# Altium PCB HIL_RIG_REV_1_1.PcbDoc (part 5 of 5)
Units mil, origin at the board's own origin, x right, y up, seen from the top; angles counter-clockwise.
Board outline 16250 x 7870 mil, 6 copper layers (Top Layer, Int1 (GND), Int2 (PWR), Int3 (Sign), Int4 (GND), Bottom Layer), stack 60.566 mil thick; 1117 components, 704 nets, 3589 pads, 6 vias.
Unrouted connection lines stored in the file: 2596.
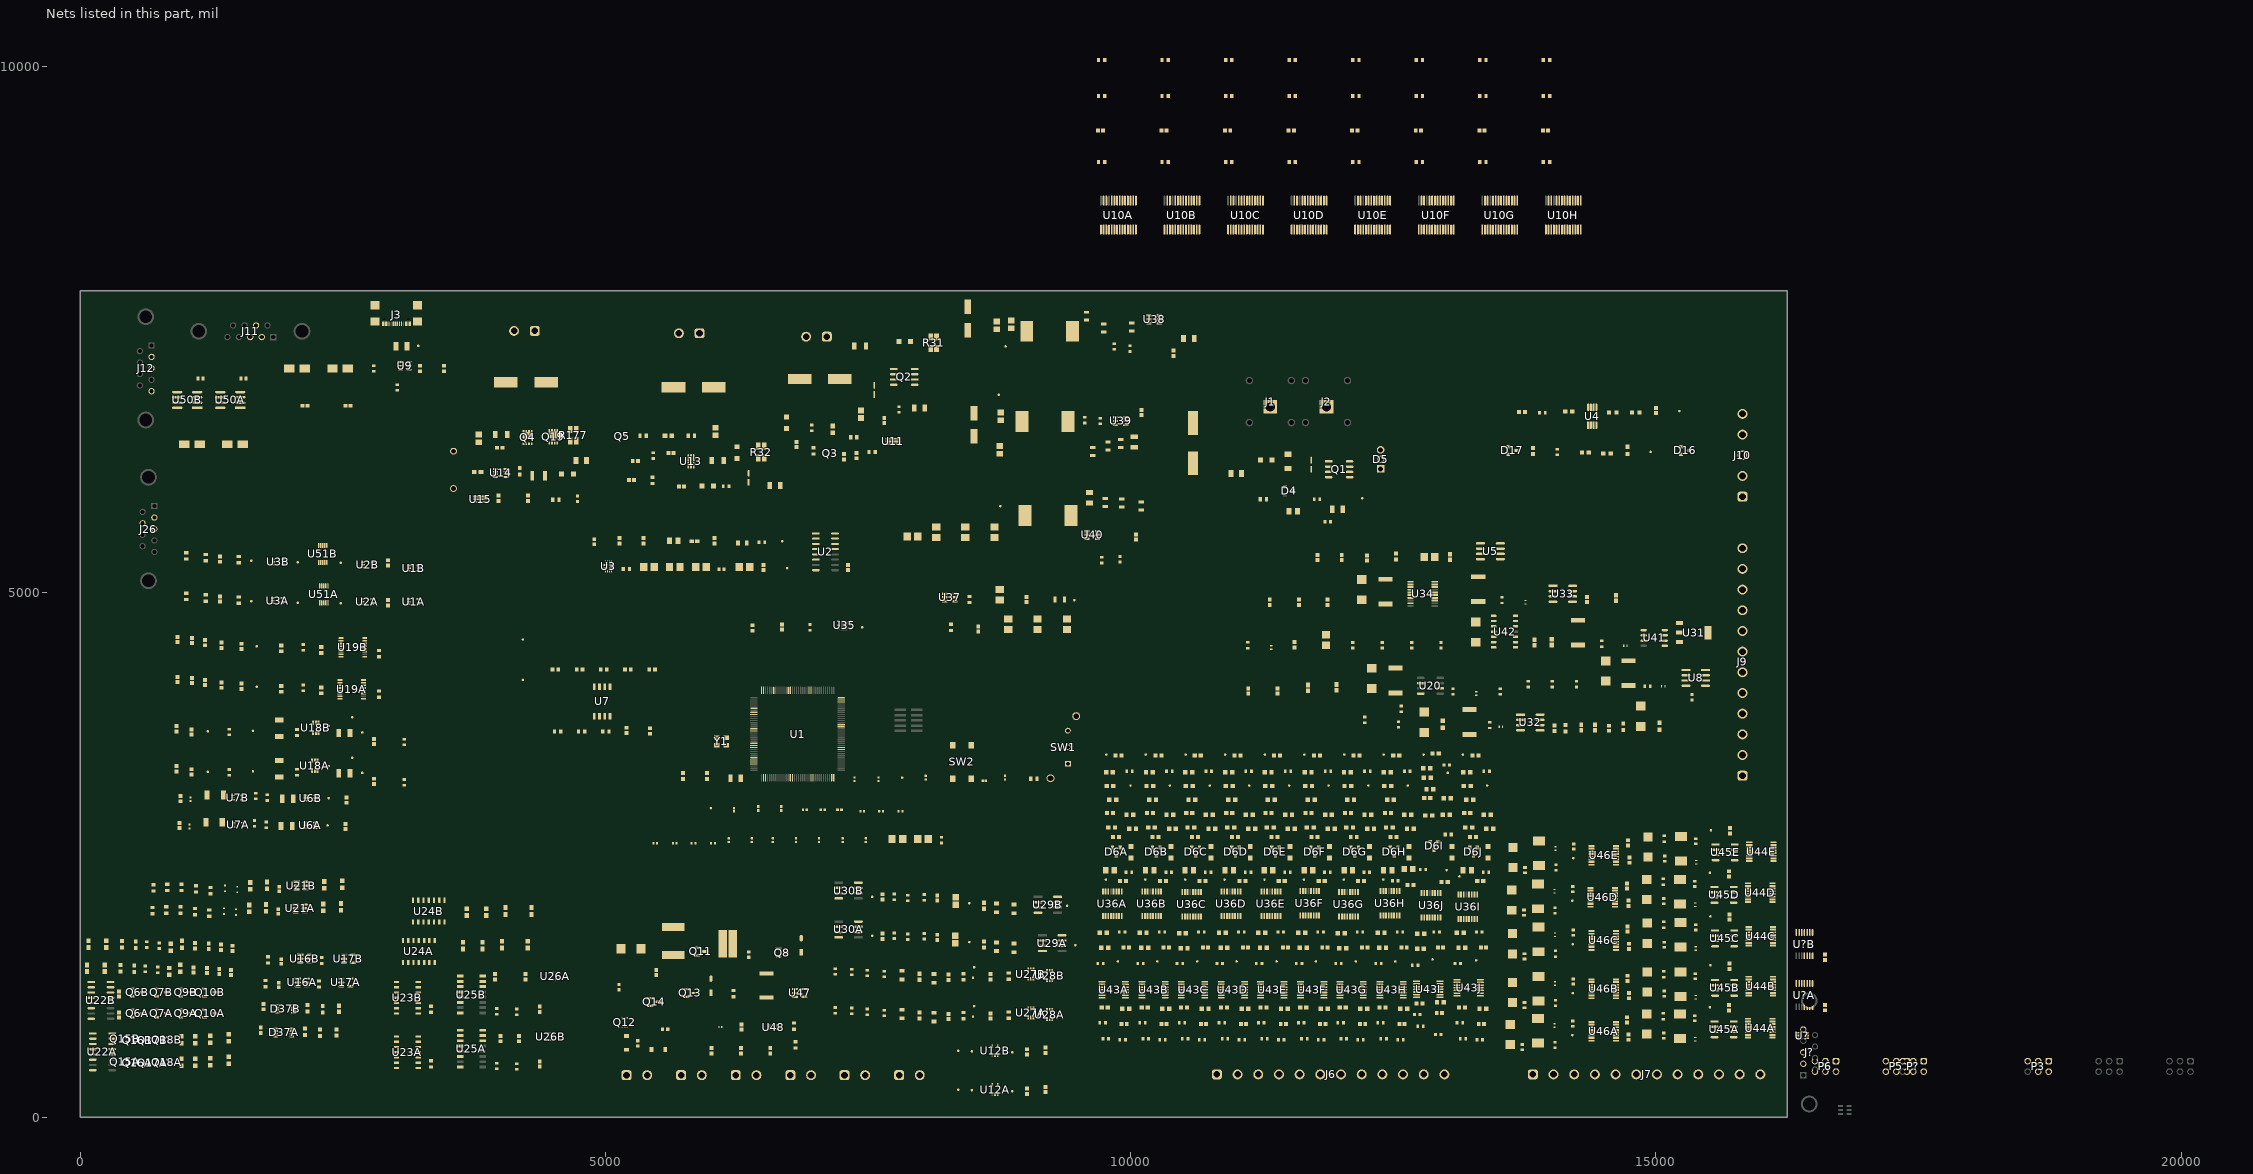
[diagram p7: the nets of this part, all layers, seen from the top]

## Part data (continued)
Y1: "Crystal or Oscillator", Manufacturer_Name=ECS, Mouser Part Number=520-160-12-33AGN-TR3, Arrow Part Number=ECS-160-12-33-AGN-TR3, Arrow Price/Stock=https://www.arrow.com/en/products/ecs-160-12-33-agn-tr3/ecs-international?utm_currency=USD&region=nac, Datasheet Link=https://ecsxtal.com/store/pdf/ecx-32.pdf, Height=0.8mm, Manufacturer_Part_Number=ECS-160-12-33-AGN-TR3, Mouser Price/Stock=https://www.mouser.co.uk/ProductDetail/ECS/ECS-160-12-33-AGN-TR3?qs=e8oIoAS2J1R5dXUdgVaN0g%3D%3D
Y2: library part CMP-003-00030-1, "Crystal 0.032768MHz ±20ppm (Tol) 6pF FUND 50000Ohm Automotive 2-Pin SMD T/R", Frequency=32.768kHz, Load Capacitance=6pF, Max Operating Temperature=125°C, Min Operating Temperature=-40°C, ESR=80k, Mounting Technology="Surface Mount"

## Via types
v1: diameter 15.75, hole 7.87, Top Layer to Bottom Layer, 4 vias
v2: diameter 19.68, hole 7.87, Top Layer to Bottom Layer, tented both sides, 2 vias

## Nets (pads, with @x,y where several pads share a name; then routed paths per layer and width w, separated by ;. In a path a pad name is that pad's centre, name@x,y a point inside that pad or via, vN(x,y) a via of type N, cw(c..) or ccw(c..) an arc to the next point about the centre after c; other vN are vias at no path point)
3V3_Feedback: R113.1 R114.1 U37.4
3V3_REGULATED: C30.2 C46A.1 C46B.1 C48A.2 C48B.2 C67.2 C68.2 C69A.2 C69B.2 C71A.2 C71B.2 C72A.2 C72B.2 C76A.2 C76B.2 C77A.1 C77B.1 C77C.1 C77D.1 C77E.1 C77F.1 C77G.1 C77H.1 C77I.1 C77J.1 C85A.1 C85B.1 C86A.1 C86B.1 C87A.1 C87B.1 C93A.1 C93B.1 C93C.1 C93D.1 C93E.1 C93F.1 C93G.1 C93H.1 C94A.1 C94B.1 C95A.1 C95B.1 C96A.2 C96B.2 C97A.1 C97B.1 C99A.1 C99B.1 C152.1 C153.1 C154.1 C155A.1 C155B.1 C161.2 C162.2 C165A.1 C165B.1 C169A.2 C169B.2 D37A.2 D37B.2 L4.2 R45.2 R56A.1 R56B.1 R61A.1 R61B.1 R61C.1 R61D.1 R61E.1 R61F.1 R61G.1 R61H.1 R61I.1 R61J.1 R62A.2 R62B.2 R62C.2 R62D.2 R62E.2 R62F.2 R62G.2 R62H.2 R62I.2 R62J.2 R65A.1 R65B.1 R65C.1 R65D.1 R65E.1 R65F.1 R65G.1 R65H.1 R65I.1 R65J.1 R67A.2 R67B.2 R67C.2 R67D.2 R67E.2 R67F.2 R67G.2 R67H.2 R67I.2 R67J.2 R69A.1 R69B.1 R69C.1 R69D.1 R69E.1 R69F.1 R69G.1 R69H.1 R69I.1 R69J.1 R70A.1 R70B.1 R70C.1 R70D.1 R70E.1 R70F.1 R70G.1 R70H.1 R70I.1 R70J.1 R75A.2 R75B.2 R75C.2 R75D.2 R75E.2 R75F.2 R75G.2 R75H.2 R75I.2 R75J.2 R77.2 R78.2 R80A.2 R80B.2 R80C.2 R80D.2 R80E.2 R80F.2 R80G.2 R80H.2 R80I.2 R80J.2 R82A.2 R82B.2 R83A.2 R83B.2 R106A.2 R106B.2 R106C.2 R106D.2 R106E.2 R106F.2 R106G.2 R106H.2 R113.2 R115A.1 R115B.1 R116A.2 R116B.2 R117A.2 R117B.2 R120A.1 R120B.1 R121A.1 R121B.1 R122A.1 R122B.1 R154A.2 R154B.2 R154C.2 R154D.2 R154E.2 R157A.2 R157B.2 R157C.2 R157D.2 R157E.2 R168.1 R174A.2 R174B.2 TP14.1 U1A.5 U1B.5 U2.16 U2A.5 U2B.5 U3A.5 U3B.5 U6A.1 U6A.5 U6B.1 U6B.5 U7.8 U10A.9 U10B.9 U10B.15 U10C.9 U10C.16 U10D.9 U10D.15 U10D.16 U10E.9 U10E.17 U10F.9 U10F.15 U10F.17 U10G.9 U10G.16 U10G.17 U10H.9 U10H.15 U10H.16 U10H.17 U12A.5 U12B.5 U16A.1 U16B.1 U17A.5 U17B.5 U18A.1 U18B.1 U19A.15 U19B.15 U22A.16 U22B.16 U23A.14 U23B.14 U24A.14 U24B.14 U25A.16 U25B.16 U27A.5 U27B.5 U28A.5 U28B.5 U29A.7 U29B.7 U30A.7 U30B.7 U36A.9 U36A.16 U36B.9 U36B.16 U36C.9 U36C.16 U36D.9 U36D.16 U36E.9 U36E.16 U36F.9 U36F.16 U36G.9 U36G.16 U36H.9 U36H.16 U36I.9 U36I.16 U36J.9 U36J.16 U44A.12 U44B.12 U44C.12 U44D.12 U44E.12 U46A.12 U46B.12 U46C.12 U46D.12 U46E.12 U50A.3 U50B.3 U51A.4 U51B.4 U?.3
3V3_SW: C151.1 L4.1 U37.2
3V3_VBST: C151.2 U37.6
5V: C33.1 C34.1 C35.1 C70A.2 C70B.2 C78A.1 C78B.1 C78C.1 C78D.1 C78E.1 C78F.1 C78G.1 C78H.1 C78I.1 C78J.1 C81A.1 C81B.1 C106.1 C107.2 C119.2 C120.2 C149.1 C150.1 C156.2 C163.2 C164.2 C167A.2 C167B.2 C?A.1 C?B.1 D6A.2 D6B.2 D6C.2 D6D.2 D6E.2 D6F.2 D6G.2 D6H.2 D6I.2 D6J.2 R9.2 TP4.1 U3.1 U3.8 U7A.1 U7B.1 U20.2 U21A.1 U21B.1 U35.1 U35.6 U37.3 U37.5 U42.13 U42.14 U43A.3 U43B.3 U43C.3 U43D.3 U43E.3 U43F.3 U43G.3 U43H.3 U43I.3 U43J.3 U44A.14 U44B.14 U44C.14 U44D.14 U44E.14 U46A.14 U46B.14 U46C.14 U46D.14 U46E.14 U51A.5 U51A.6 U51A.7 U51B.5 U51B.6 U51B.7 U?.1 U?.5 U?A.14 U?B.14
  other v1: 5014.25,5258.78 5045.75,5258.78
5V_CB: C140.2 U40.6
5V_Feedback: R111.1 R112.2 U40.1
5V_OUT: F6.2 J4.1
5V_OUT_common_gate: Q4.4 Q19.4 U14.8
5V_OUT_common_source: Q4.1 Q4.2 Q4.3 Q19.1 Q19.2 Q19.3
5V_OUT_Current_ADC: U15.6
5V_OUT_EN: U2.13 U14.5
5V_OUT_shunted: C56.2 C131.1 Q4.5 Q4.6 Q4.7 Q4.8 Q4.9 R177.2 R177.4 U14.1 U14.2 U15.5
5V_OUT_unfused: C57.2 C58.1 D11.1 F6.1 Q19.5 Q19.6 Q19.7 Q19.8 Q19.9 R34.2 R43.2 R79.2
5V_OUT_Volt_ADC: C173.2 R34.1 R36.1
5V_OV_detect: R43.1 R44.2 U14.3
5V_REGULATED: C31.1 C32.2 C141.1 C142.1 C143.1 C144.1 L3.2 R8.2 R111.2 R177.1 R177.3 TP8.1 U3.7 U15.4
  other v1: 5045.75,5231.22
5V_SW: C140.1 L3.1 U40.5
12V_base: Q11.1 R162.1 R164.1
12V_CB: C132.2 U39.6
12V_Feedback: R92.1 R93.2 U39.1
12V_gate: Q8.1 Q11.3 R160.1
12V_OUT: F5.2 J5.1
12V_OUT_Current_ADC: U13.6
12V_OUT_Drain: D12.2 Q2.5 Q2.6
12V_OUT_EN: R39.2 U2.14
12V_OUT_EN_Filtered: C63.2 Q5.1 R39.1 R51.2
12V_OUT_Gate: D13.2 Q2.4 R41.1 R52.1
12V_OUT_Rectified: C59.2 C60.1 D12.1 D14.1 F5.1 R40.2
12V_OUT_Shunted: C61.2 C130.1 D13.1 Q2.3 R32.2 R32.4 R41.2 U13.4
12V_OUT_Volt_ADC: C64.2 R40.1 R42.1
12V_REGULATED: C44.2 C133.2 C134.1 C135.1 C157.1 C160.2 L2.2 Q8.2 R32.1 R32.3 R92.2 R160.2 TP11.1 U5.5 U5.8 U13.5 U44A.15 U44B.15 U44C.15 U44D.15 U44E.15 U46A.15 U46B.15 U46C.15 U46D.15 U46E.15 U47.1 U47.3
12V_schottkey: D29.2 Q8.3
12V_SW: C132.1 L2.1 U39.5
24V_base: Q14.1 R166.1 R167.1
24V_CB: C62.2 U38.6
24V_Feedback: R20.1 R35.2 U38.1
24V_gate: D33.2 Q13.1 Q14.3 R165.1
24V_OUT: F4.2 J8.1
24V_OUT_Current_ADC: U11.6
24V_OUT_Drain: D9.2 Q2.7 Q2.8
24V_OUT_EN: R33.2 U2.15
24V_OUT_EN_Filtered: C170.2 Q3.1 R33.1 R38.2
24V_OUT_Gate: D10.2 Q2.2 R37.1 R50.1
24V_OUT_Rectified: C52.2 C53.1 D9.1 D36.1 F4.1 R175.2
24V_OUT_Shunted: C54.2 C129.1 D10.1 Q2.1 R31.2 R31.4 R37.2 U11.4
24V_OUT_Volt_ADC: C172.2 R175.1 R176.1
24V_REGULATED: C105A.2 C105B.2 C105C.2 C105D.2 C105E.2 C110.1 C122.2 C123.1 C124.1 C158A.1 C158B.1 C158C.1 C158D.1 C158E.1 C159A.2 C159B.2 C159C.2 C159D.2 C159E.2 D33.1 L1.2 Q13.2 R20.2 R31.1 R31.3 R165.2 TP10.1 U11.5 U41.5 U41.6 U41.7 U41.8 U44A.11 U44A.16 U44B.11 U44B.16 U44C.11 U44C.16 U44D.11 U44D.16 U44E.11 U44E.16 U45A.8 U45B.8 U45C.8 U45D.8 U45E.8 U46A.11 U46A.16 U46B.11 U46B.16 U46C.11 U46C.16 U46D.11 U46D.16 U46E.11 U46E.16
24V_schottkey: D32.2 Q13.3
24V_SW: C62.1 L1.1 U38.5
A01_INA: U44A.10 U44B.10 U44C.10 U44D.10 U44E.10
A02_INA: U46A.10 U46B.10 U46C.10 U46D.10 U46E.10
A11_INA: U44A.9 U44B.9 U44C.9 U44D.9 U44E.9
A12_INA: U46A.9 U46B.9 U46C.9 U46D.9 U46E.9
AGND: C44.1 C45.2 C157.2 U5.3 U5.6 U5.7 U34.9
ANALOG_INPUT_IN_CH1: J10.2
ANALOG_INPUT_IN_CH2: J10.4
Analogue_IN_0: R14.2 TP25.1
Analogue_IN_1: R19.2 TP26.1
Analogue_IN_ADC_0: C41.1 R15.2
Analogue_IN_ADC_1: C43.1 R18.2
Analogue_IN_buffered_0: R15.1 U4.1 U4.2
Analogue_IN_buffered_1: R18.1 U4.6 U4.7
Analogue_IN_step_down_0: D16.3 R14.1 R16.1 R17.2 U4.3
Analogue_IN_step_down_1: D17.3 R19.1 R54.1 R55.2 U4.5
ANALOGUE_OUT_0: F7.2
ANALOGUE_OUT_1: F9.2
ANALOGUE_OUT_2: F11.2
ANALOGUE_OUT_3: F13.2
ANALOGUE_OUT_4: F15.2
ANALOGUE_OUT_5: F17.2
AO_22V_LDO_IN: C174.1 U31.3 U41.3
AO_AMP_0_INV: R24.1 R26.2 U8.2
AO_AMP_0_OUT: R21.1 R24.2 U8.1
AO_AMP_1_INV: R23.1 R25.2 U8.6
AO_AMP_1_OUT: R23.2 R102.1 U8.7
AO_AMP_2_INV: R128.1 R142.2 U32.2
AO_AMP_2_OUT: R103.1 R128.2 U32.1
AO_AMP_3_INV: R126.1 R129.2 U32.6
AO_AMP_3_OUT: R104.1 R126.2 U32.7
AO_AMP_4_INV: R144.1 R146.2 U33.2
AO_AMP_4_OUT: R105.1 R144.2 U33.1
AO_AMP_5_INV: R143.1 R145.2 U33.6
AO_AMP_5_OUT: R143.2 R153.1 U33.7
AO_CH0_FUSE: F7.1 F8.2
AO_CH0_TVS: D18.1 F8.1 R21.2
AO_CH1_FUSE: F9.1 F10.2
AO_CH1_TVS: D19.1 F10.1 R102.2
AO_CH2_FUSE: F11.1 F12.2
AO_CH2_TVS: D23.1 F12.1 R103.2
AO_CH3_FUSE: F13.1 F14.2
AO_CH3_TVS: D24.1 F14.1 R104.2
AO_CH4_FUSE: F15.1 F16.2
AO_CH4_TVS: D25.1 F16.1 R105.2
AO_CH5_FUSE: F17.1 F18.2
AO_CH5_TVS: D26.1 F18.1 R153.2
AO_EN: U41.2
AO_MCU_nCS: U42.2
AO_MCU_SCK: U42.9
AO_MCU_SDI: U42.5
AOUT0: J9.1
AOUT1: J9.3
AOUT2: J9.5
AOUT3: J9.7
AOUT4: J9.9
AOUT5: J9.11
BOOT0: R3.2 SW1.2 TP1.1 U1.138
C1_MinusA: C73A.2 U19A.4
C1_MinusB: C73B.2 U19B.4
C1_PlusA: C73A.1 U19A.2
C1_PlusB: C73B.1 U19B.2
C2_MinusA: C74A.2 U19A.6
C2_MinusB: C74B.2 U19B.6
C2_PlusA: C74A.1 U19A.5
C2_PlusB: C74B.1 U19B.5
CAN_CH1_H: J11.7
CAN_CH1_L: J11.2
CAN_CH2_H: J26.7
CAN_CH2_L: J26.2
CAN_DIFF_DUT.CAN_RX_INA: U50A.4 U50B.4
CAN_DIFF_DUT.CAN_TX_OUTA: U50A.1 U50B.1
CAN_IN_TERM_SA: U?A.4 U?A.10 U?A.13 U?B.4 U?B.10 U?B.13
CAN_OUTA_H: U50A.7 U50B.7 U?A.5 U?B.5
CAN_OUTA_L: U50A.6 U50B.6 U?A.12 U?B.12
CC1: J3.A5 R30.2
CC2: J3.B5 R29.2
CON_D_N: J3.A7 J3.B7 U9.1
CON_D_P: J3.A6 J3.B6 U9.6
DAC_nCS: U34.3 U42.3
DAC_OUT_0: U8.3 U34.5
DAC_OUT_1: U8.5 U34.15
DAC_OUT_2: U32.3 U34.6
DAC_OUT_3: U32.5 U34.14
DAC_OUT_4: U33.3 U34.7
DAC_OUT_5: U33.5 U34.13
DAC_Reg_5V: C45.1 C101.1 C104.1 C115.2 U5.1 U5.2 U34.2
DAC_Reg_22V: C89.2 C102.2 C103.1 C111.1 C112.2 C113.1 C116.1 R123.2 U8.8 U31.2 U31.4 U32.8 U33.8
DAC_SCK: U34.18 U42.8
DAC_SDI: U34.19 U42.6
DAC_VREF: C108.2 C109.1 C117.2 C118.2 U20.6 U34.4 U34.16
DI_3V3_vrefA: C79A.1 R57A.1 R61A.2 R63A.2 U43A.7
DI_3V3_vrefB: C79B.1 R57B.1 R61B.2 R63B.2 U43B.7
DI_3V3_vrefC: C79C.1 R57C.1 R61C.2 R63C.2 U43C.7
DI_3V3_vrefD: C79D.1 R57D.1 R61D.2 R63D.2 U43D.7
DI_3V3_vrefE: C79E.1 R57E.1 R61E.2 R63E.2 U43E.7
DI_3V3_vrefF: C79F.1 R57F.1 R61F.2 R63F.2 U43F.7
DI_3V3_vrefG: C79G.1 R57G.1 R61G.2 R63G.2 U43G.7
DI_3V3_vrefH: C79H.1 R57H.1 R61H.2 R63H.2 U43H.7
DI_3V3_vrefI: C79I.1 R57I.1 R61I.2 R63I.2 U43I.7
DI_3V3_vrefJ: C79J.1 R57J.1 R61J.2 R63J.2 U43J.7
DI_5V_vrefA: C80A.1 R64A.2 R65A.2 R66A.1 U43A.5
DI_5V_vrefB: C80B.1 R64B.2 R65B.2 R66B.1 U43B.5
DI_5V_vrefC: C80C.1 R64C.2 R65C.2 R66C.1 U43C.5
DI_5V_vrefD: C80D.1 R64D.2 R65D.2 R66D.1 U43D.5
DI_5V_vrefE: C80E.1 R64E.2 R65E.2 R66E.1 U43E.5
DI_5V_vrefF: C80F.1 R64F.2 R65F.2 R66F.1 U43F.5
DI_5V_vrefG: C80G.1 R64G.2 R65G.2 R66G.1 U43G.5
DI_5V_vrefH: C80H.1 R64H.2 R65H.2 R66H.1 U43H.5
DI_5V_vrefI: C80I.1 R64I.2 R65I.2 R66I.1 U43I.5
DI_5V_vrefJ: C80J.1 R64J.2 R65J.2 R66J.1 U43J.5
DI_12V_vrefA: C82A.1 R69A.2 R71A.2 R73A.1 U43A.9
DI_12V_vrefB: C82B.1 R69B.2 R71B.2 R73B.1 U43B.9
DI_12V_vrefC: C82C.1 R69C.2 R71C.2 R73C.1 U43C.9
DI_12V_vrefD: C82D.1 R69D.2 R71D.2 R73D.1 U43D.9
DI_12V_vrefE: C82E.1 R69E.2 R71E.2 R73E.1 U43E.9
DI_12V_vrefF: C82F.1 R69F.2 R71F.2 R73F.1 U43F.9
DI_12V_vrefG: C82G.1 R69G.2 R71G.2 R73G.1 U43G.9
DI_12V_vrefH: C82H.1 R69H.2 R71H.2 R73H.1 U43H.9
DI_12V_vrefI: C82I.1 R69I.2 R71I.2 R73I.1 U43I.9
DI_12V_vrefJ: C82J.1 R69J.2 R71J.2 R73J.1 U43J.9
DI_24V_vrefA: C83A.1 R70A.2 R76A.2 R81A.1 U43A.11
DI_24V_vrefB: C83B.1 R70B.2 R76B.2 R81B.1 U43B.11
DI_24V_vrefC: C83C.1 R70C.2 R76C.2 R81C.1 U43C.11
DI_24V_vrefD: C83D.1 R70D.2 R76D.2 R81D.1 U43D.11
DI_24V_vrefE: C83E.1 R70E.2 R76E.2 R81E.1 U43E.11
DI_24V_vrefF: C83F.1 R70F.2 R76F.2 R81F.1 U43F.11
DI_24V_vrefG: C83G.1 R70G.2 R76G.2 R81G.1 U43G.11
DI_24V_vrefH: C83H.1 R70H.2 R76H.2 R81H.1 U43H.11
DI_24V_vrefI: C83I.1 R70I.2 R76I.2 R81I.1 U43I.11
DI_24V_vrefJ: C83J.1 R70J.2 R76J.2 R81J.1 U43J.11
DI_IN_dividedA: D6A.3 R68A.2 R72A.2 U43A.4 U43A.6 U43A.8 U43A.10
DI_IN_dividedB: D6B.3 R68B.2 R72B.2 U43B.4 U43B.6 U43B.8 U43B.10
DI_IN_dividedC: D6C.3 R68C.2 R72C.2 U43C.4 U43C.6 U43C.8 U43C.10
DI_IN_dividedD: D6D.3 R68D.2 R72D.2 U43D.4 U43D.6 U43D.8 U43D.10
DI_IN_dividedE: D6E.3 R68E.2 R72E.2 U43E.4 U43E.6 U43E.8 U43E.10
DI_IN_dividedF: D6F.3 R68F.2 R72F.2 U43F.4 U43F.6 U43F.8 U43F.10
DI_IN_dividedG: D6G.3 R68G.2 R72G.2 U43G.4 U43G.6 U43G.8 U43G.10
DI_IN_dividedH: D6H.3 R68H.2 R72H.2 U43H.4 U43H.6 U43H.8 U43H.10
DI_IN_dividedI: D6I.3 R68I.2 R72I.2 U43I.4 U43I.6 U43I.8 U43I.10
DI_IN_dividedJ: D6J.3 R68J.2 R72J.2 U43J.4 U43J.6 U43J.8 U43J.10
DI_INA: D1A.1 D1B.1 D1C.1 D1D.1 D1E.1 D1F.1 D1G.1 D1H.1 D1I.1 D1J.1 R68A.1 R68B.1 R68C.1 R68D.1 R68E.1 R68F.1 R68G.1 R68H.1 R68I.1 R68J.1
DI_IOex_S0A: U36A.11 U36B.11 U36C.11 U36D.11 U36E.11 U36F.11 U36G.11 U36H.11 U36I.11 U36J.11
DI_IOex_S1A: U36A.10 U36B.10 U36C.10 U36D.10 U36E.10 U36F.10 U36G.10 U36H.10 U36I.10 U36J.10
DI_OUTA: U36A.6 U36B.6 U36C.6 U36D.6 U36E.6 U36F.6 U36G.6 U36H.6 U36I.6 U36J.6
DIN0: J6.2
DIN1: J6.3
DIN2: J6.4
DIN3: J6.5
DIN4: J6.6
DIN5: J6.7
DIN6: J6.8
DIN7: J6.9
DIN8: J6.10
DIN9: J6.11
DO1_IN_N_ENA: R154A.1 R154B.1 R154C.1 R154D.1 R154E.1 U44A.6 U44B.6 U44C.6 U44D.6 U44E.6
DO1_OUTA: F19A.2 F19B.2 F19C.2 F19D.2 F19E.2
DO2_IN_N_ENA: R157A.1 R157B.1 R157C.1 R157D.1 R157E.1 U46A.6 U46B.6 U46C.6 U46D.6 U46E.6
DO2_OUTA: F21A.2 F21B.2 F21C.2 F21D.2 F21E.2
DOUT0: J7.2
DOUT1: J7.3
DOUT2: J7.4
DOUT3: J7.5
DOUT4: J7.6
DOUT5: J7.7
DOUT6: J7.8
DOUT7: J7.9
DOUT8: J7.10
DOUT9: J7.11
Gate_driver_out: R163.1 U47.5
GND: C18.2 C19.2 C20.1 C21.1 C22.1 C23.1 C24.2 C25.2 C26.2 C27.2 C28.1 C29.2 C30.1 C31.2 C32.1 C33.2 C34.2 C35.2 C36.1 C37.1 C38.1 C39.1 C40.1 C41.2 C42A.1 C42B.1 C43.2 C46A.2 C46B.2 C47A.2 C47B.2 C48A.1 C48B.1 C49A.1 C49B.1 C50.1 C51.1 C52.1 C53.2 C54.1 C56.1 C57.1 C58.2 C59.1 C60.2 C61.1 C63.1 C64.1 C65.1 C66.1 C67.1 C68.1 C69A.1 C69B.1 C70A.1 C70B.1 C71A.1 C71B.1 C72A.1 C72B.1 C75A.2 C75B.2 C76A.1 C76B.1 C77A.2 C77B.2 C77C.2 C77D.2 C77E.2 C77F.2 C77G.2 C77H.2 C77I.2 C77J.2 C78A.2 C78B.2 C78C.2 C78D.2 C78E.2 C78F.2 C78G.2 C78H.2 C78I.2 C78J.2 C79A.2 C79B.2 C79C.2 C79D.2 C79E.2 C79F.2 C79G.2 C79H.2 C79I.2 C79J.2 C80A.2 C80B.2 C80C.2 C80D.2 C80E.2 C80F.2 C80G.2 C80H.2 C80I.2 C80J.2 C81A.2 C81B.2 C82A.2 C82B.2 C82C.2 C82D.2 C82E.2 C82F.2 C82G.2 C82H.2 C82I.2 C82J.2 C83A.2 C83B.2 C83C.2 C83D.2 C83E.2 C83F.2 C83G.2 C83H.2 C83I.2 C83J.2 C84A.2 C84B.2 C85A.2 C85B.2 C86A.2 C86B.2 C87A.2 C87B.2 C88A.2 C88B.2 C89.1 C90A.1 C90B.1 C91A.1 C91B.1 C92A.1 C92B.1 C93A.2 C93B.2 C93C.2 C93D.2 C93E.2 C93F.2 C93G.2 C93H.2 C94A.2 C94B.2 C95A.2 C95B.2 C96A.1 C96B.1 C97A.2 C97B.2 C98A.2 C98B.2 C99A.2 C99B.2 C100A.2 C100B.2 C102.1 C103.2 C104.2 C105A.1 C105B.1 C105C.1 C105D.1 C105E.1 C106.2 C107.1 C108.1 C109.2 C110.2 C111.2 C112.1 C113.2 C114.2 C115.1 C116.2 C117.1 C118.1 C119.1 C120.1 C121.1 C122.1 C123.2 C124.2 C125.2 C126.2 C127.2 C128.2 C129.2 C130.2 C131.2 C133.1 C134.2 C135.2 C136.2 C137.2 C138.2 C139.2 C141.2 C142.2 C143.2 C144.2 C145.2 C146.2 C147.2 C148.2 C149.2 C150.2 C152.2 C153.2 C154.2 C155A.2 C155B.2 C156.1 C158A.2 C158B.2 C158C.2 C158D.2 C158E.2 C159A.1 C159B.1 C159C.1 C159D.1 C159E.1 C160.1 C162.1 C163.1 C164.1 C165A.2 C165B.2 C166A.2 C166B.2 C167A.1 C167B.1 C168A.2 C168B.2 C169A.1 C169B.1 C170.1 C171.1 C172.1 C173.1 C174.2 C?A.2 C?B.2 D1A.2 D1B.2 D1C.2 D1D.2 D1E.2 D1F.2 D1G.2 D1H.2 D1I.2 D1J.2 D3.2 D5.1 D6A.1 D6B.1 D6C.1 D6D.1 D6E.1 D6F.1 D6G.1 D6H.1 D6I.1 D6J.1 D7.1 D11.2 D14.2 D15A.1 D15B.1 D16.1 D17.1 D18.2 D19.2 D20A.1 D20B.1 D21A.2 D21B.2 D22A.2 D22B.2 D23.2 D24.2 D25.2 D26.2 D27A.2 D27B.2 D27C.2 D27D.2 D27E.2 D28A.2 D28B.2 D28C.2 D28D.2 D28E.2 D30.2 D31.2 D34.1 D36.2 D37A.1 D37B.1 J2.1 J3.1 J3.2 J3.3 J3.4 J3.A1-B12 J3.B1-A12 J4.2 J5.2 J6.1 J6.12 J7.1 J7.12 J8.2 J9.2 J9.4 J9.6 J9.8 J9.10 J9.12 J10.1 J10.3 J10.5 J11.3 J12.5 J20.2 J21.2 J22.2 J23.2 J24.2 J25.2 J26.3 J?.5 P3.2 P3.4 P3.5 P5.2 P5.6 P6.2 P6.6 P?.2 P?.4 P?.5 Q3.2 Q5.2 Q11.2 Q12.4 Q14.2 Q15A.2 Q15B.2 Q16A.2 Q16B.2 Q17A.2 Q17B.2 Q18A.2 Q18B.2 R3.1 R6.1 R7.1 R10.1 R12.1 R13.1 R17.1 R25.1 R26.1 R29.1 R30.1 R35.1 R36.2 R38.1 R42.2 R44.1 R51.1 R55.1 R63A.1 R63B.1 R63C.1 R63D.1 R63E.1 R63F.1 R63G.1 R63H.1 R63I.1 R63J.1 R64A.1 R64B.1 R64C.1 R64D.1 R64E.1 R64F.1 R64G.1 R64H.1 R64I.1 R64J.1 R71A.1 R71B.1 R71C.1 R71D.1 R71E.1 R71F.1 R71G.1 R71H.1 R71I.1 R71J.1 R72A.1 R72B.1 R72C.1 R72D.1 R72E.1 R72F.1 R72G.1 R72H.1 R72I.1 R72J.1 R76A.1 R76B.1 R76C.1 R76D.1 R76E.1 R76F.1 R76G.1 R76H.1 R76I.1 R76J.1 R88A.1 R88B.1 R89A.1 R89B.1 R91A.1 R91B.1 R93.1 R107A.1 R107B.1 R107C.1 R107D.1 R107E.1 R107F.1 R107G.1 R107H.1 R108A.1 R108B.1 R108C.1 R108D.1 R108E.1 R108F.1 R108G.1 R108H.1 R109A.2 R109B.2 R110A.2 R110B.2 R112.1 R114.2 R119A.2 R119B.2 R123.1 R127.1 R129.1 R142.1 R145.1 R146.1 R147A.2 R147B.2 R148A.2 R148B.2 R149A.2 R149B.2 R150A.2 R150B.2 R152A.2 R152B.2 R156A.1 R156B.1 R156C.1 R156D.1 R156E.1 R159A.1 R159B.1 R159C.1 R159D.1 R159E.1 R162.2 R166.2 R171A.2 R171B.2 R172A.2 R172B.2 R173A.2 R173B.2 R176.2 SW1.3 SW1.MH1 SW1.MH2 SW2.B SW2.B' U1.16 U1.31 U1.38 U1.51 U1.61 U1.83 U1.94 U1.107 U1.120 U1.130 U1A.3 U1B.3 U2.3 U2.4 U2.5 U2.8 U2A.3 U2B.3 U3.3 U3.4 U3.5 U3.12 U3A.3 U3B.3 U4.4 U6A.2 U6B.2 U7.4 U7A.4 U7B.4 U8.4 U9.2 U10A.10 U10A.15 U10A.16 U10A.17 U10B.10 U10B.16 U10B.17 U10C.10 U10C.15 U10C.17 U10D.10 U10D.17 U10E.10 U10E.15 U10E.16 U10F.10 U10F.16 U10G.10 U10G.15 U10H.10 U11.1 U11.2 U12A.3 U12B.3 U13.1 U13.2 U14.4 U15.1 U15.2 U16A.2 U16B.2 U17A.3 U17B.3 U18A.2 U18A.5 U18B.2 U18B.5 U19A.14 U19B.14 U20.4 U21A.2 U21B.2 U22A.3 U22A.4 U22A.5 U22A.8 U22B.3 U22B.4 U22B.5 U22B.8 U23A.7 U23B.7 U24A.7 U24B.7 U25A.2 U25A.3 U25A.4 U25A.5 U25A.8 U25B.2 U25B.3 U25B.4 U25B.5 U25B.8 U26A.2 U26B.2 U27A.2 U27B.2 U28A.2 U28B.2 U29A.4 U29B.4 U30A.4 U30B.4 U32.4 U33.4 U34.1 U34.20 U35.2 U36A.1 U36A.2 U36A.3 U36A.4 U36A.7 U36A.8 U36B.1 U36B.2 U36B.3 U36B.4 U36B.7 U36B.8 U36C.1 U36C.2 U36C.3 U36C.4 U36C.7 U36C.8 U36D.1 U36D.2 U36D.3 U36D.4 U36D.7 U36D.8 U36E.1 U36E.2 U36E.3 U36E.4 U36E.7 U36E.8 U36F.1 U36F.2 U36F.3 U36F.4 U36F.7 U36F.8 U36G.1 U36G.2 U36G.3 U36G.4 U36G.7 U36G.8 U36H.1 U36H.2 U36H.3 U36H.4 U36H.7 U36H.8 U36I.1 U36I.2 U36I.3 U36I.4 U36I.7 U36I.8 U36J.1 U36J.2 U36J.3 U36J.4 U36J.7 U36J.8 U37.1 U38.4 U39.4 U40.4 U41.1 U42.1 U42.4 U42.7 U42.10 U42.12 U43A.12 U43B.12 U43C.12 U43D.12 U43E.12 U43F.12 U43G.12 U43H.12 U43I.12 U43J.12 U44A.1 U44A.2 U44A.3 U44A.4 U44A.5 U44A.7 U44A.8 U44B.1 U44B.2 U44B.3 U44B.4 U44B.5 U44B.7 U44B.8 U44C.1 U44C.2 U44C.3 U44C.4 U44C.5 U44C.7 U44C.8 U44D.1 U44D.2 U44D.3 U44D.4 U44D.5 U44D.7 U44D.8 U44E.1 U44E.2 U44E.3 U44E.4 U44E.5 U44E.7 U44E.8 U45A.4 U45B.4 U45C.4 U45D.4 U45E.4 U46A.1 U46A.2 U46A.3 U46A.4 U46A.5 U46A.7 U46A.8 U46B.1 U46B.2 U46B.3 U46B.4 U46B.5 U46B.7 U46B.8 U46C.1 U46C.2 U46C.3 U46C.4 U46C.5 U46C.7 U46C.8 U46D.1 U46D.2 U46D.3 U46D.4 U46D.5 U46D.7 U46D.8 U46E.1 U46E.2 U46E.3 U46E.4 U46E.5 U46E.7 U46E.8 U47.2 U48.2 U50A.2 U50A.8 U50B.2 U50B.8 U51A.2 U51A.3 U51A.9 U51B.2 U51B.3 U51B.9 U?.2 U?A.7 U?B.7 Y1.2 Y1.4